# Altium PCB MEGAphone.PcbDoc (part 3 of 5) (continued)
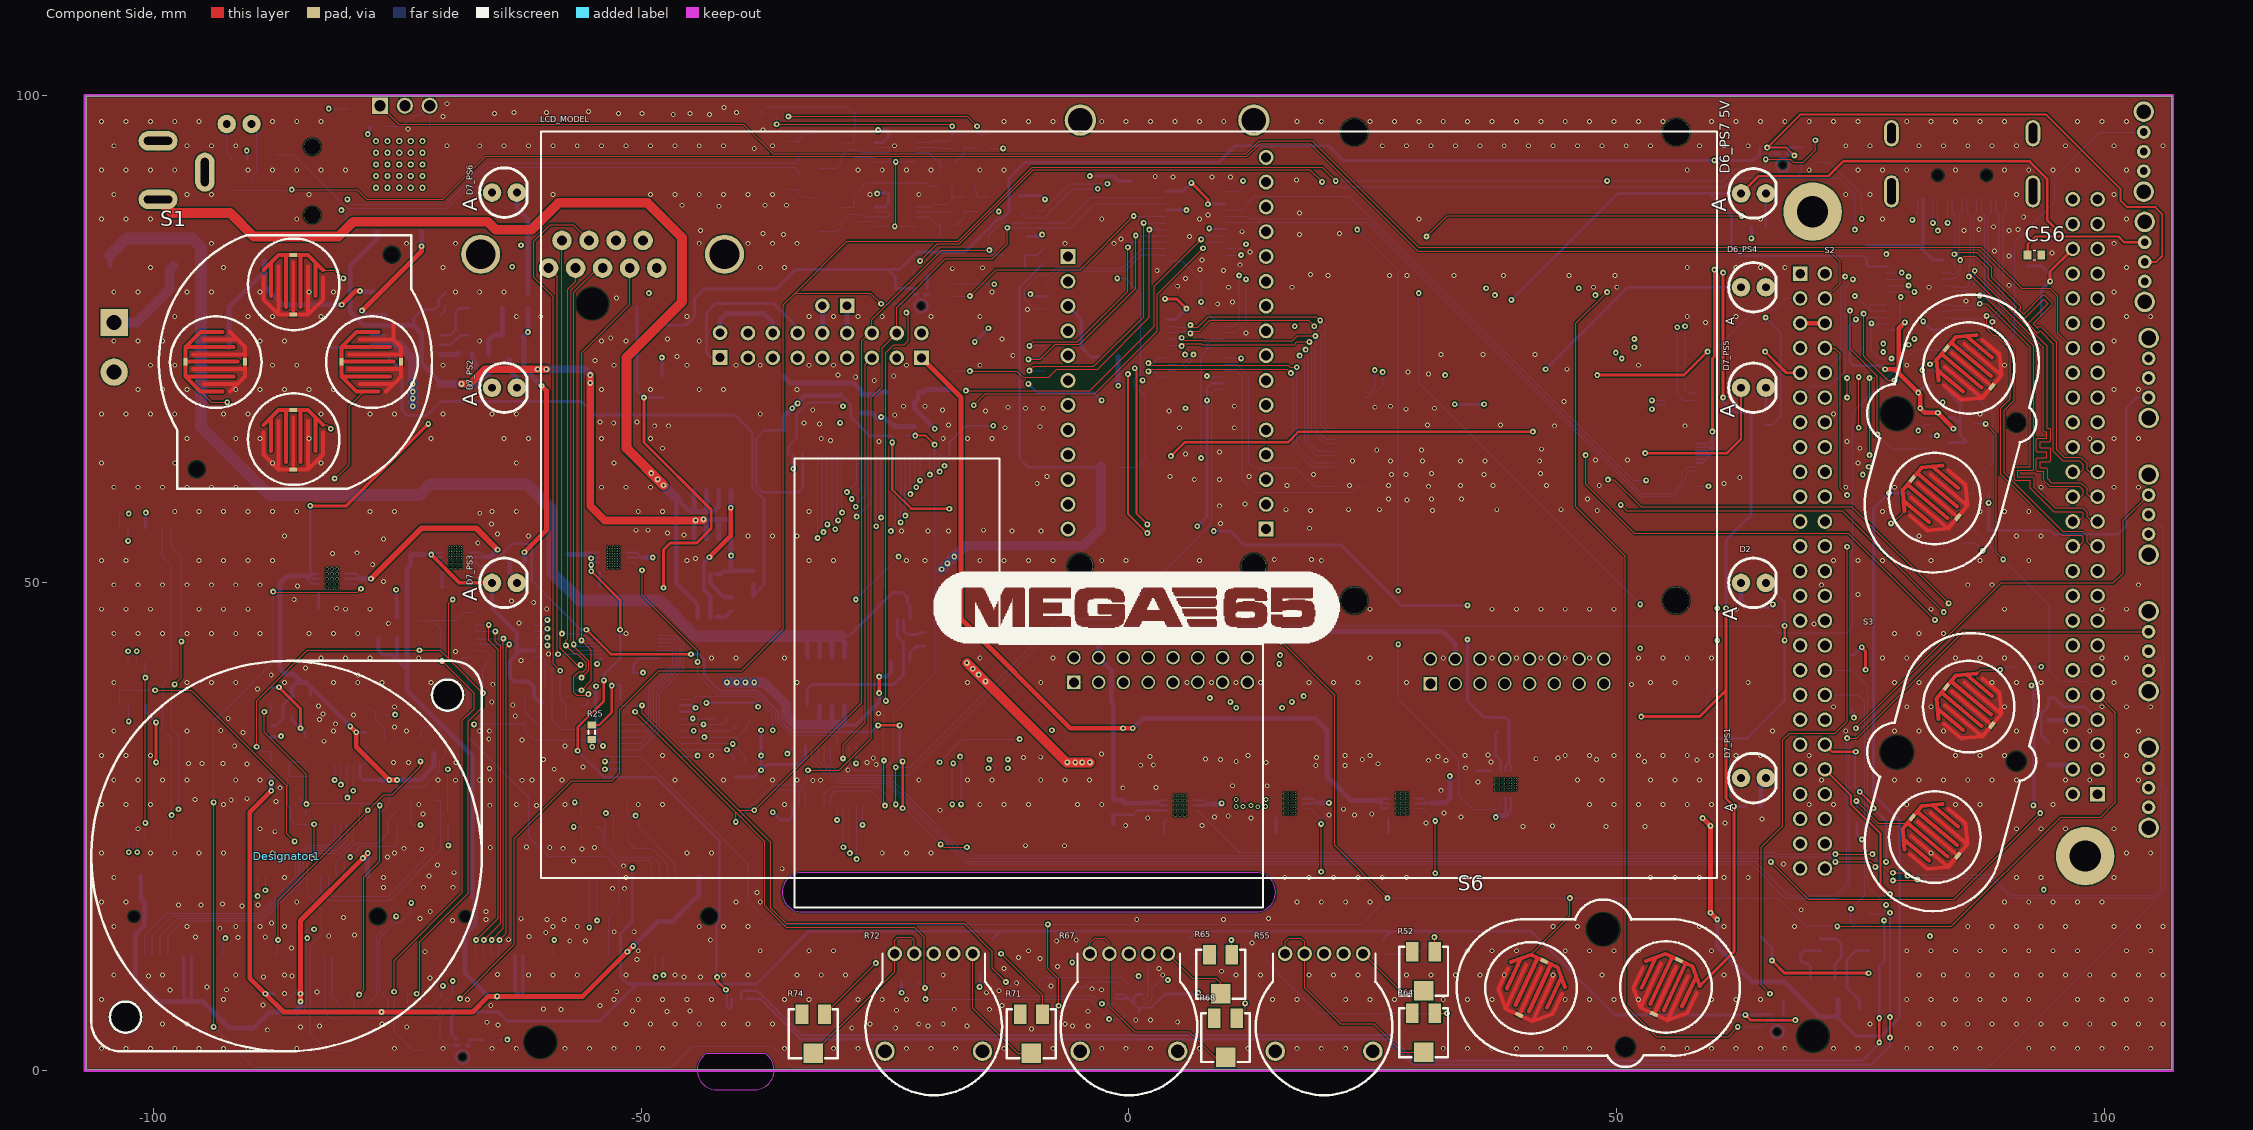
[diagram p0: Component Side view]
## Nets (pads, with @x,y where several pads share a name; then routed paths per layer and width w, separated by ;. In a path a pad name is that pad's centre, name@x,y a point inside that pad or via, vN(x,y) a via of type N, cw(c..) or ccw(c..) an arc to the next point about the centre after c; other vN are vias at no path point) (continued)
HDMI_EN: U13.11 U27.4 U27.5 | length 73.5
  Signal Layer 1 w0.127: v2(11.5,83.6) 12.7,82.4 16.1,82.4 18.3,80.2 v2(36.6,80.2) ; v2(46.1,80.2) 47.7,78.6 66.3,78.6 67.8,80.1 73.7,80.1 v2(74.4,79.4)
  Signal Layer 2 w0.127: v2(36.6,80.2) v2(46.1,80.2)
  Bottom Layer w0.127: U13.11@9.9,83.65 9.95,83.6 v2(11.5,83.6) ; v2(74.4,79.4) 74.5,79.4 75.9,78 ; U27.4@77.63,77.875 76.025,77.875 75.9,78 ; U27.5@77.63,78.525 77.605,78.5 76,78.5 75.9,78.4 75.9,78
HDMI_TX0_N: J4.9 U9.26A U27.17 | length 46.2
  Component Side w0.127: v2(86.083,81.383) 86.1,81.4 86.4,81.4 93.719,74.081 93.719,65.593 93.831,65.481 94.084,65.481 94.084,64.846 93.104,64.846 92.993,64.735 92.993,63.561 93.104,63.449 94.084,63.449 94.084,62.814 93.104,62.814 92.993,62.703 92.993,61.529 93.104,61.417 93.719,61.417 93.719,60.542 94.361,59.9 97.41,59.9 97.81,59.5 97.81,59.1 97.541,58.831 U9.26A@96.73,58.831
  Bottom Layer w0.127: U27.17@83.37,80.475 84.219,80.475 84.353,80.34 85.9,80.34 86.098,80.538 86.098,81.368 v2(86.083,81.383) ; J4.9@85.9,89.365 85.9,88.001 86.209,87.692 86.209,82.7 86.1,82.591 v2@86.1,81.4
HDMI_TX0_P: J4.7 U9.25A U27.18 | length 47.3
  Component Side w0.127: v2(86.687,81.987) 86.669,81.969 86.669,81.669 94.1,74.239 94.1,65.862 94.353,65.862 94.465,65.751 94.465,64.577 94.353,64.465 93.374,64.465 93.374,63.83 94.353,63.83 94.465,63.719 94.465,62.545 94.353,62.433 93.374,62.433 93.374,61.798 93.988,61.798 94.1,61.687 94.1,60.7 94.519,60.281 97.567,60.281 98.191,59.658 98.191,59.1 98.46,58.831 U9.25A@99.27,58.831
  Bottom Layer w0.127: U27.18@83.37,79.825 84.219,79.825 84.353,79.959 86.058,79.959 86.687,80.588 v2(86.687,81.987) 86.59,82.083 86.59,87.692 86.9,88.001 J4.7@86.9,89.365
HDMI_TX1_N: J4.6 U9.23A U27.20 | length 48.2
  Component Side w0.127: v2(87.2,79.454) 87.585,79.454 92.739,74.3 92.739,61.645 92.627,61.534 91.111,61.534 91.111,60.898 92.627,60.898 92.739,60.787 92.739,59.861 94.919,57.681 97.767,57.681 98.191,57.258 98.191,56.8 98.7,56.291 U9.23A@99.27,56.291
  Bottom Layer w0.127: U27.20@83.37,78.525 84.219,78.525 84.353,78.391 86.3,78.391 86.567,78.658 86.567,78.841 87.181,79.454 v2(87.2,79.454) 87.7,79.954 87.7,87.701 87.4,88.001 J4.6@87.4,89.365
HDMI_TX1_P: J4.4 U9.24A U27.21 | length 48.1
  Component Side w0.127: v2(87.2,78.6) 87.9,78.6 92.358,74.142 92.358,61.915 90.842,61.915 90.73,61.803 90.73,60.629 90.842,60.517 92.358,60.517 92.358,59.703 94.761,57.3 97.61,57.3 97.81,57.1 97.81,56.8 97.301,56.291 U9.24A@96.73,56.291
  Bottom Layer w0.127: U27.21@83.37,77.875 84.219,77.875 84.353,78.01 86.458,78.01 87.048,78.6 v2(87.2,78.6) 87.219,78.6 88.081,79.462 88.081,87.682 88.4,88.001 J4.4@88.4,89.365
HDMI_TX2_N: J4.3 U9.22A U27.22 | length 48.5
  Component Side w0.127: v2(87.896,77.365) 87.896,76.104 88.6,75.4 88.861,75.4 90.331,73.931 90.331,68.869 89.336,67.875 89.336,61.125 95.561,54.9 97.61,54.9 97.81,54.7 97.81,54.2 97.361,53.751 U9.22A@96.73,53.751
  Bottom Layer w0.127: U27.22@83.37,77.225 84.219,77.225 84.353,77.091 87.691,77.091 87.927,77.327 88.527,77.327 89.209,78.009 89.209,87.692 88.9,88.001 J4.3@88.9,89.365
HDMI_TX2_P: J4.1 U9.21A U27.23 | length 48.6
  Component Side w0.127: v2(88.5,76.761) 88.5,76.039 88.758,75.781 89.019,75.781 90.712,74.088 90.712,68.712 89.717,67.717 89.717,61.283 95.719,55.281 97.767,55.281 98.191,54.858 98.191,54.2 98.64,53.751 U9.21A@99.27,53.751
  Bottom Layer w0.127: U27.23@83.37,76.575 84.219,76.575 84.353,76.71 87.59,76.71 87.827,76.473 88.212,76.473 v2(88.5,76.761) 89.59,77.852 89.59,87.692 89.9,88.001 J4.1@89.9,89.365
HDMI_TXC_N: J4.12 U9.27A U27.15 | length 47.1
  Component Side w0.127: v2(84.596,83.679) 84.798,83.881 86.909,83.881 88.432,82.358 88.432,81.307 91.411,78.328 91.411,78.17 91.239,77.998 91.688,77.549 93.656,79.517 93.814,79.517 94.644,78.687 94.644,78.529 92.675,76.561 93.124,76.112 93.297,76.284 93.454,76.284 95.1,74.639 95.1,63.639 95.858,62.881 97.567,62.881 98.191,62.258 98.191,61.6 98.42,61.371 U9.27A@99.27,61.371
  Bottom Layer w0.127: U27.15@83.37,81.775 84.219,81.775 84.353,81.641 84.6,81.641 ; J4.12@84.4,89.365 84.4,88.001 84.71,87.692 84.71,83.792 v2(84.596,83.679) 84.596,82.423 84.819,82.2 84.819,81.86 84.6,81.641 ; 84.598,81.638 84.6,81.641
HDMI_TXC_P: J4.10 U9.28A U27.16 | length 46.5
  Component Side w0.127: v2(85.2,83.075) 85.625,83.5 86.751,83.5 88.051,82.2 88.051,81.149 90.951,78.249 90.779,78.077 90.779,77.919 91.609,77.089 91.767,77.089 93.735,79.057 94.184,78.608 92.216,76.64 92.216,76.482 93.046,75.652 93.203,75.652 93.375,75.825 94.719,74.481 94.719,63.481 95.7,62.5 97.41,62.5 97.81,62.1 97.81,61.6 97.581,61.371 U9.28A@96.73,61.371
  Bottom Layer w0.127: U27.16@83.37,81.125 84.219,81.125 84.353,81.26 84.442,81.26 84.758,81.26 85.2,81.702 v2(85.2,83.075) 85.2,83.233 85.091,83.342 85.091,87.692 85.4,88.001 J4.10@85.4,89.365
Headset_MIC_IN: J2.1 U5.2 | length 50.9
  Signal Layer 1 w0.127: v2(-82,98.6) -78.359,98.6 -77.644,97.884 -71.984,97.884 -67.2,93.1 -67.2,88.53 -62.2,83.53 -62.2,81.3 -57.2,76.3 -52.6,76.3 v2(-49.2,79.7)
  Bottom Layer w0.127: v2(-82,98.6) J2.1@-80,98.6 ; v2(-49.2,79.7) -49.129,79.629 U5.2@-49.129,78.304
HPD_B: J4.19 U27.10 | length 9.8
  Signal Layer 2 w0.127: v2(79.2,81.8) 80.3,82.9 v2(80.3,87.2)
  Bottom Layer w0.127: U27.10@77.63,81.775 79.175,81.775 v2(79.2,81.8) ; v2(80.3,87.2) 80.9,87.8 J4.19@80.9,89.365
HPD_X: CM1.153 U28.10 | length 24.8
  Signal Layer 2 w0.127: v2(8,71.2) 8.746,71.946 14.954,71.946 16.6,70.3 21.75,70.3 22.65,71.2 25.6,71.2 v2(26,71.6)
  Bottom Layer w0.127: v2(8,71.2) 8.075,71.125 U28.10@9.67,71.125 ; CM1.153@24.18,69.1 24.8,69.1 26,70.3 v2(26,71.6)
Indicators: "R49_PS7 5V.2" R49_PS4.2 R50_PS1.2 R50_PS2.2 R50_PS3.2 R50_PS5.2 R50_PS6.2 S6.1 | length 246.1
  Component Side w0.3: v2(52.5,36.3) 58.5,36.3 61.2,39 ; 58.494,8.7 62,12.206 v3(62,27.1) 61.2,27.9 61.2,39 ; v2(60.9,69) v2(60.9,81.8) ; v2(61.2,47.4) 61.2,39
  Component Side w0.5: v2(-61.955,53.145) -59.7,55.4 -59.7,69.7 v2(-60.2,70.2)
  Signal Layer 1 w0.3: v2(-7.9,34.9) -7.4,34.4 50.6,34.4 v2(52.5,36.3) ; v2(60.9,81.8) 60.9,82.4 v2(63.8,85.3)
  Signal Layer 2 w0.3: v2(-61.955,53.145) -56.41,47.6 -26.4,47.6 -13.7,34.9 v2(-7.9,34.9)
  Bottom Layer w0.3: v2(60.9,69) 60.9,68.6 62.063,67.437 R50_PS5.2@63.766,67.437 63.75,67.421 R49_PS4.2@63.75,66.2 63.75,56.95 61.2,54.4 v2(61.2,47.4) ; v3(62,27.1) 63.228,27.1 R50_PS1.2@63.258,27.13 ; 63.766,86.487 63.8,86.453 v2(63.8,85.3)
  Bottom Layer w0.5: R50_PS3.2@-61.955,52.197 v2(-61.955,53.145) ; R50_PS6.2@-61.6,78.15 v2(-61.6,75.7) -61.98,75.32 R50_PS2.2@-61.98,72.91 -61.98,71.98 v2(-60.2,70.2)
INT: Q2_M1.3 Q2_M2.3 Q10.3 Q11.3 Q12.3 R25.1 R45.2 S6.2 U9.9A U12.15 U20.4 U25.3 U29.P1_5 | length 326.7
  Component Side w0.127: R25.1@-55.05,33.936 -55.05,33.25 v2(-55,33.2) ; v2(-8.3,15) -8.3,10.5 -7.2,9.4 v2(-7.2,6.67) ; v2(15.6,44) 21.1,38.5 21.1,23.1 v2(26.5,17.7) ; 41.186,11.887 45.2,15.901 v2(45.2,17.7) ; v2(72.6,14.8) 84.3,14.8 95.5,26 99.6,26 101.1,27.5 101.1,36.681 U9.9A@99.27,38.511 ; v2(87.8,66.3) 88.9,65.2 88.9,53.1 v2(89.6,52.4)
  Signal Layer 1 w0.127: v2(-75.2,36.5) -74.197,35.497 v2(-67.1,35.497) ; U29.P1_5@14.07,65.67 12.27,65.67 11,64.4 11,48.6 v2(15.6,44)
  Bottom Layer w0.127: Q2_M1.3@-76.266,36.576 -76.242,36.6 -76.142,36.5 v2(-75.2,36.5) ; v2(-67.1,35.497) -67.037,35.56 Q2_M2.3@-61.91,35.56 -61.91,34.81 -61,33.9 -55.7,33.9 v2(-55,33.2) -54.047,32.247 U12.15@-52.07,32.247 -50.102,32.247 -39,21.145 -39,17.3 -36.7,15 v2(-8.3,15) 23.8,15 v2(26.5,17.7) v2(45.2,17.7) 66.5,17.7 69.341,14.859 U25.3@70.851,14.859 72.541,14.859 v2(72.6,14.8) ; Q11.3@-9.779,6.67 v2(-7.2,6.67) Q12.3@-6.081,6.67 ; U20.4@85.425,55.4 R45.2@86.6,55.4 94.3,47.7 94.3,41 95.4,39.9 98.1,39.9 99.27,38.73 U9.9A@99.27,38.511 ; Q10.3@86.487,66.355 87.745,66.355 v2(87.8,66.3)
INT1_A: Q11.2 U24.11 | length 10.4
  Bottom Layer w0.127: Q11.2@-9.129,8.57 -9.129,9.171 -8.7,9.6 -0.7,9.6 0,8.9 U24.11@0,8.712
INT2_A: Q12.2 U24.9 | length 4.9
  Bottom Layer w0.127: Q12.2@-5.431,8.57 -4.53,8.57 -4,9.1 -1.2,9.1 -1,8.9 U24.9@-1,8.712
INT_IO1: Q9.1 U14.1 | length 147.1
  Signal Layer 1 w0.127: v2(-35,32.5) -20.2,32.5 -19.4,31.7 v2(-19.4,31.623) ; v2(-11.2,34) 58.7,34 64.5,39.8 72.8,39.8 83.4,50.4 v2(83.4,68.5)
  Bottom Layer w0.127: v2(-35,32.5) -34.455,33.045 U14.1@-34.455,33.278 ; v2(-19.4,31.623) -17.023,34 v2(-11.2,34) ; Q9.1@82.108,68.885 83.015,68.885 v2(83.4,68.5)
INT_IO2: Q7.1 U12.1 | length 149.6
  Signal Layer 1 w0.127: v2(-36.5,34.9) -17.4,34.9 -14.2,38.1 8.2,38.1 v2(8.3,38.2) ; v2(17.9,38.4) 28.5,38.4 28.8,38.1 56.2,38.1 65.4,47.3 72.5,47.3 75.2,50 75.2,59.9 v2(80.9,65.6)
  Signal Layer 2 w0.127: v2(8.3,38.2) 8.5,38.4 v2(17.9,38.4)
  Bottom Layer w0.127: U12.1@-45.97,38.097 -44.703,38.097 -44.4,38.4 -38.4,38.4 -36.5,36.5 v2(-36.5,34.9) ; v2(80.9,65.6) 81.579,66.279 Q7.1@82.108,66.279
INT_IO3: Q8.1 U13.1 | length 91.1
  Component Side w0.127: v2(73.9,77.9) 73.9,73.984 76.7,71.184 v2(76.7,65.2)
  Signal Layer 1 w0.127: v2(11.7,91.2) 12.8,92.3 32.8,92.3 47.2,77.9 v2(73.9,77.9)
  Bottom Layer w0.127: U13.1@9.9,90.15 11.25,90.15 11.7,90.6 v2(11.7,91.2) ; v2(76.7,65.2) 78.161,63.739 Q8.1@82.108,63.739
IR_LED: U9.38A U30.1 | length 187.1
  Component Side w0.127: U30.1@-76.74,98.9 -74.84,97 -39.5,97 -36.454,93.954 11.995,93.954 13.295,95.254 13.454,95.254 13.5,95.3 18.8,95.3 29.7,84.4 87.3,84.4 91.5,80.2 94.4,80.2 95.2,79.4 95.2,75.601 U9.38A@96.73,74.071
IRLED: Q6.1 U9.4B | length 177.1
  Component Side w0.127: v2(-85.8,90.3) -79.1,90.3 -78.1,89.3 -70.3,89.3 -65.9,93.7 12.1,93.7 13.4,95 18.6,95 29.6,84 71.8,84 72.9,82.9 72.9,80.722 U9.4B@71.33,79.152
  Bottom Layer w0.127: Q6.1@-91.979,90.215 -85.885,90.215 v2(-85.8,90.3)
LED: Q5.1 U9.3B | length 48.8
  Signal Layer 1 w0.127: v2(60.3,44.1) v2(60.3,47.4)
  Bottom Layer w0.127: Q5.1@59.25,36.3 59.25,38.4 60.3,39.45 v2(60.3,44.1) ; v2(60.3,47.4) 60.3,74.1 64.2,78 66.2,78 67.352,79.152 U9.3B@68.79,79.152
MPPT: R57.1 R59.2 U7.6 | length 63.2
  Bottom Layer w0.3: U7.6@-76.182,73.4 -74.5,71.718 -74.5,67.7 -73.973,67.173 -71.927,67.173 -70.5,68.6 -56.1,68.6 -54.7,67.2 -40.4,67.2 -38.6,65.4 -38.6,59.8 -37.4,58.6 -37.4,49.818 R59.2@-38.5,48.718
  Bottom Layer w0.5: R59.2@-38.5,48.718 R57.1@-38.5,49.847
NetBT1_1: BT1.1 F1.1 | length 9.7
  Bottom Layer w1: BT1.1@-104,76.68 -101.72,76.68 -98.3,80.1 -98.3,82.116 F1.1@-97.918,82.498
NetC20_1: C20.1 U32.7 | length 3.6
  Bottom Layer w0.45: U32.7@-42.896,50.882 -42.896,49.996 -41.414,48.514 C20.1@-40.767,48.514
NetC20_2: C20.2 U32.1 | length 1.7
  Bottom Layer w0.45: U32.1@-42.246,46.482 -41.399,46.482 C20.2@-40.767,47.114
NetC22_FA_1: C22_FA.1 R18_FA.2 R20_FA.2 | length 3.3
  Bottom Layer w0.127: R20_FA.2@-17.861,86.776 -17.531,86.776 -16.815,87.492 C22_FA.1@-16.815,88.108 -15.588,88.108 R18_FA.2@-15.526,88.046
NetC22_FA_2: C22_FA.2 R16_FA.1 R21_FA.2 U11_FA.1 | length 6.9
  Bottom Layer w0.127: U11_FA.1@-21.845,88.538 -20.362,88.538 -20.1,88.8 -18.5,88.8 -18.103,89.197 R16_FA.1@-18.103,89.558 ; R21_FA.2@-17.988,90.713 -18.103,90.598 R16_FA.1@-18.103,89.558 ; C22_FA.2@-16.815,89.508 -16.865,89.558 R16_FA.1@-18.103,89.558
NetC22_FB_1: C22_FB.1 R18_FB.2 R20_FB.2 | length 3.2
  Bottom Layer w0.127: R20_FB.2@-17.861,93.253 -17.58,93.253 -16.833,94 C22_FB.1@-16.833,94.585 -15.613,94.585 R18_FB.2@-15.563,94.535
NetC22_FB_2: C22_FB.2 R16_FB.1 R21_FB.2 U11_FB.1 | length 25.4
  Component Side w0.127: v2(-36.1,97) -18.3,97 v2(-18.1,96.8)
  Bottom Layer w0.127: v2(-36.1,97) -36.08,97.02 R21_FB.2@-36.08,97.79 ; U11_FB.1@-21.845,95.142 -20.331,95.142 -20.173,95.3 -18.3,95.3 -18.103,95.497 R16_FB.1@-18.103,96.035 ; v2(-18.1,96.8) -18.1,96.038 R16_FB.1@-18.103,96.035 ; C22_FB.2@-16.833,95.985 -18.053,95.985 R16_FB.1@-18.103,96.035
NetC23_FA_1: C23_FA.1 C26_FA.2 R21_FA.1 R22_FA.1 | length 11.8
  Bottom Layer w0.127: C23_FA.1@-29.406,88.492 -28.186,88.492 R22_FA.1@-28.136,88.542 -28.136,89.759 C26_FA.2@-28.071,89.824 -26.895,91 -20.7,91 -20.4,90.7 -19.501,90.7 R21_FA.1@-19.488,90.713
NetC23_FA_2: C23_FA.2 C25_FA.1 U11_FA.8 U11_FA.9 | length 10.2
  Bottom Layer w0.127: C25_FA.1@-31.692,86.041 -29.859,86.041 -29.406,86.494 C23_FA.2@-29.406,87.092 -28.698,87.8 -27.4,87.8 -27.138,87.538 U11_FA.8@-26.045,87.538 -24.662,87.538 -24.5,87.7 -24.5,87.9 -24.638,88.038 U11_FA.9@-26.045,88.038
NetC23_FB_1: C23_FB.1 C26_FB.2 R21_FB.1 R22_FB.1 | length 14.7
  Bottom Layer w0.127: R21_FB.1@-37.58,97.79 -37.58,98.32 -37.1,98.8 -28.9,98.8 -28.071,97.971 C26_FB.2@-28.071,96.428 -28.136,96.363 R22_FB.1@-28.136,95.146 -28.186,95.096 C23_FB.1@-29.406,95.096
NetC23_FB_2: C23_FB.2 C25_FB.1 U11_FB.8 U11_FB.9 | length 10.3
  Bottom Layer w0.127: C25_FB.1@-31.692,92.518 -30,92.518 -29.406,93.112 C23_FB.2@-29.406,93.696 -29.404,93.696 -28.7,94.4 -27.558,94.4 -27.3,94.142 U11_FB.8@-26.045,94.142 -24.658,94.142 -24.5,94.3 -24.5,94.5 -24.642,94.642 U11_FB.9@-26.045,94.642
NetC25_FA_2: C25_FA.2 F2_FA.1 R23_FA.1 | length 3.9
  Bottom Layer w0.127: R23_FA.1@-34.994,90.344 F2_FA.1@-33.851,90.344 -33.851,89.951 -33.4,89.5 -31.833,89.5 C25_FA.2@-31.692,89.641
NetC25_FB_2: C25_FB.2 F2_FB.1 R23_FB.1 | length 3.8
  Bottom Layer w0.127: R23_FB.1@-34.994,95.273 F2_FB.1@-33.851,95.273 -33.851,95.449 -33.182,96.118 C25_FB.2@-31.692,96.118
NetC27_FA_1: C27_FA.1 R20_FA.1 U11_FA.3 | length 4.1
  Bottom Layer w0.127: U11_FA.3@-21.845,87.538 -20.445,87.538 -19.683,86.776 R20_FA.1@-19.361,86.776 -19.311,86.726 C27_FA.1@-19.311,85.506
NetC27_FB_1: C27_FB.1 R20_FB.1 U11_FB.3 | length 4.1
  Bottom Layer w0.127: U11_FB.3@-21.845,94.142 -20.542,94.142 -19.653,93.253 R20_FB.1@-19.361,93.253 -19.311,93.203 C27_FB.1@-19.311,91.983
NetC36_1: C36.1 C37.1 D4.2 D5.2 U26.2 | length 25.8
  Signal Layer 2 w0.3: v2(-34.4,61.7) -24,61.7 v2(-19.9,65.8)
  Bottom Layer w0.3: U26.2@-34.407,63.118 -34.407,61.707 v2(-34.4,61.7)
  Bottom Layer w0.5: v2(-19.9,65.8) -21.955,67.855 D5.2@-21.955,68.253 -21.955,68.536 -21.59,68.901 D4.2@-21.59,69.551 -21.049,69.551 -20.792,69.808 C36.1@-19.881,69.808 C37.1@-18.272,69.808
NetC39_1: C39.1 D5.1 R46.1 U21.3 U26.1 | length 20.4
  Signal Layer 1 w0.2: v3(-29.3,68.1) -26.5,68.1 v3(-25.4,67)
  Bottom Layer w0.2: U26.1@-34.907,63.118 -34.907,63.98 -34.073,64.814 -34.073,67.227 -32.8,68.5 -29.712,68.5 -29.312,68.1 v3(-29.3,68.1)
  Bottom Layer w0.5: U21.3@-27.425,67.397 -26.304,67.397 -25.881,66.974 C39.1@-25.881,66.884 -24.984,66.884 -24.288,66.188 R46.1@-24.114,66.188 -23.949,66.023 D5.1@-21.955,66.023
NetC41_PS4_1: C41_PS4.1 U22_PS4.1 | length 1.4
  Bottom Layer w0.24: C41_PS4.1@3.6,24.4 3.6,25.465 U22_PS4.1@3.835,25.7
"NetC41_PS7 5V_1": "C41_PS7 5V.1" "U22_PS7 5V.1" | length 1.5
  Bottom Layer w0.24: 35.593,30.745 35.596,30.748 37.117,30.748
NetC45_PS1_1: C45_PS1.1 U23_PS1.1 | length 1.6
  Bottom Layer w0.3: U23_PS1.1@15.083,25.892 15.083,24.399 C45_PS1.1@15.138,24.344
NetC45_PS2_1: C45_PS2.1 U23_PS2.1 | length 1.6
  Bottom Layer w0.3: U23_PS2.1@-83.061,48.919 -83.061,47.425 C45_PS2.1@-83.006,47.371
NetC45_PS3_1: C45_PS3.1 U23_PS3.1 | length 1.6
  Bottom Layer w0.3: C45_PS3.1@-70.4,49.629 U23_PS3.1@-70.4,51.122
  Bottom Layer w0.381: C45_PS3.1@-70.4,49.629 C45_PS3.1@-70.345,49.574
NetC45_PS5_1: C45_PS5.1 U23_PS5.1 | length 1.6
  Bottom Layer w0.24: C45_PS5.1@-54.232,49.607 U23_PS5.1@-54.232,51.1
  Bottom Layer w0.25: C45_PS5.1@-54.232,49.607 C45_PS5.1@-54.177,49.552
NetC45_PS6_1: C45_PS6.1 U23_PS6.1 | length 1.5
  Bottom Layer w0.24: C45_PS6.1@26.569,24.454 U23_PS6.1@26.569,25.897
  Bottom Layer w0.25: C45_PS6.1@26.569,24.454 C45_PS6.1@26.636,24.387
NetC50_1: C50.1 R73.2 | length 14
  Component Side w0.3: v2(65.9,11.3) 67.2,10 v2(75.8,10)
  Bottom Layer w0.3: C50.1@64.8,13.7 65.9,12.6 v2(65.9,11.3) ; R73.2@75.05,10 v2(75.8,10)
NetC51_1: C51.1 D8.3 R73.1 U25.8 | length 8.3
  Bottom Layer w0.3: D8.3@74.887,6.35 74.887,7.213 73.6,8.5 C51.1@73.6,8.8 73.6,9.95 R73.1@73.55,10 73.55,11.35 74.519,12.319 U25.8@75.851,12.319
NetC57_1: C57.1 U7.1 | length 1.2
  Bottom Layer w0.25: U7.1@-70.582,77.4 -70.1,77.882 -70.1,78.3 C57.1@-70,78.4
NetC58_2: C58.2 R61.1 | length 1.7
  Bottom Layer w0.5: R61.1@-67.292,73.543 -67.292,73 -66.9,72.608 C58.2@-66.9,72.055
NetC59_1: C59.1 U8.7 | length 3.7
  Bottom Layer w0.3: U8.7@-23.082,46.32 -23.082,45.082 -22.7,44.7 -21.69,44.7 -21.475,44.915 C59.1@-20.907,44.915
NetC59_2: C59.2 U8.1 | length 2.7
  Bottom Layer w0.3: U8.1@-22.432,41.92 -22.432,42.868 -21.785,43.515 C59.2@-20.907,43.515
NetC61_1: C61.1 R62.2 U30.3 | length 7.6
  Bottom Layer w0.127: R62.2@-76.25,96.8 -74.4,96.8 -73.3,97.9 -72.6,97.9 -71.66,98.84 U30.3@-71.66,98.9 -71.6,98.84 C61.1@-71.6,96.8
NetCM1_89: CM1.89 U13.5 | length 61.8
  Bottom Layer w0.127: U13.5@9.9,87.55 12.05,87.55 12.3,87.3 24.4,87.3 52.546,59.154 55.695,59.154 56.67,60.13 56.67,61.27 57.3,61.9 CM1.89@58.1,61.9
NetCM1_91: CM1.91 U13.6 | length 61.5
  Bottom Layer w0.127: U13.6@9.9,86.9 9.9,86.945 24.355,86.945 52.4,58.9 55.8,58.9 57,60.1 57,61 57.5,61.5 CM1.91@58.1,61.5
NetCM1_99: CM1.99 U13.4 | length 63.7
  Signal Layer 2 w0.127: v2(53,60.5) 58.8,60.5 v2(59.4,59.9)
  Bottom Layer w0.127: U13.4@9.9,88.2 11.5,88.2 12.9,89.6 22.6,89.6 51.7,60.5 v2(53,60.5) ; CM1.99@58.1,59.9 v2(59.4,59.9)
NetCM1_170: CM1.170 U9.40A U28.23 | length 119.3
  Component Side w0.127: v2(6.3,76.427) 6.536,76.191 7.052,76.191 8.146,77.285 19.223,77.285 v2(19.604,76.904)
  Signal Layer 1 w0.127: v2(80.504,75.004) 80.504,74.669 80.642,74.531 82.192,74.531 82.531,74.869 93.831,74.869 94.442,75.481 97.591,75.481 97.81,75.7 97.81,76.2 97.399,76.611 U9.40A@96.73,76.611
  Signal Layer 2 w0.127: v2(19.604,76.904) 19.938,76.904 20.034,77 40.226,77 40.317,77.092 40.317,77.801 40.632,78.116 41.4,78.116 41.714,77.801 41.714,76.668 41.806,76.577 42.258,76.577 42.349,76.668 42.349,77.801 42.664,78.116 43.432,78.116 43.746,77.801 43.746,76.668 43.838,76.577 44.29,76.577 44.381,76.668 44.381,77.801 44.696,78.116 45.464,78.116 45.778,77.801 45.778,77.092 45.87,77 54.339,77 55.769,75.569 64.669,75.569 67.181,78.081 72.558,78.081 75.158,75.481 80.027,75.481 v2(80.504,75.004)
  Bottom Layer w0.127: U28.23@3.93,76.325 4.778,76.325 4.913,76.191 6.064,76.191 v2(6.3,76.427) ; v2(19.604,76.904) 20.1,76.408 20.1,66.3 20.5,65.9 CM1.170@21.1,65.9
NetCM1_172: CM1.172 U9.39A U28.22 | length 120
  Component Side w0.127: v2(6.3,75.573) 6.536,75.81 7.21,75.81 8.304,76.904 18.396,76.904 v2(19,76.3)
  Signal Layer 1 w0.127: v2(79.9,74.4) 80.234,74.4 80.485,74.15 82.35,74.15 82.688,74.488 93.988,74.488 94.6,75.1 97.748,75.1 98.191,75.542 98.191,76.2 98.602,76.611 U9.39A@99.27,76.611
  Signal Layer 2 w0.127: v2(19,76.3) 19.873,76.3 20.192,76.619 40.384,76.619 40.698,76.934 40.698,77.643 40.79,77.735 41.242,77.735 41.333,77.643 41.333,76.51 41.648,76.196 42.416,76.196 42.73,76.51 42.73,77.643 42.822,77.735 43.274,77.735 43.365,77.643 43.365,76.51 43.68,76.196 44.448,76.196 44.762,76.51 44.762,77.643 44.854,77.735 45.306,77.735 45.397,77.643 45.397,76.934 45.712,76.619 54.181,76.619 55.612,75.188 64.827,75.188 67.339,77.7 72.4,77.7 75,75.1 79.2,75.1 v2(79.9,74.4)
  Bottom Layer w0.127: U28.22@3.93,75.675 4.778,75.675 4.913,75.81 6.064,75.81 v2(6.3,75.573) ; v2(19,76.3) 19.719,75.581 19.719,66.142 20.361,65.5 CM1.172@21.1,65.5
NetCM1_176: CM1.176 U9.42A U28.21 | length 119.6
  Component Side w0.127: v2(5.4,75.127) 5.637,74.891 7.567,74.891 7.658,74.8 16.761,74.8 17.265,75.304 v2(19.104,75.304)
  Signal Layer 1 w0.127: v2(77.3,74.518) 77.536,74.281 77.7,74.281 78,74.581 78,74.939 79.231,76.169 93.469,76.169 95.381,78.081 97.691,78.081 97.81,78.2 97.81,78.8 97.459,79.151 U9.42A@96.73,79.151
  Signal Layer 2 w0.127: v2(19.104,75.304) 20.374,75.304 21.012,75.942 28.192,75.942 28.506,75.627 28.506,75.487 28.598,75.396 29.05,75.396 29.141,75.487 29.141,76.05 29.456,76.365 30.224,76.365 30.538,76.05 30.538,75.487 30.63,75.396 31.082,75.396 31.173,75.487 31.173,76.05 31.488,76.365 32.256,76.365 32.57,76.05 32.57,75.487 32.662,75.396 33.114,75.396 33.205,75.487 33.205,76.05 33.52,76.365 34.288,76.365 34.602,76.05 34.602,75.487 34.694,75.396 35.146,75.396 35.237,75.487 35.237,76.05 35.552,76.365 36.32,76.365 36.634,76.05 36.634,75.487 36.726,75.396 37.178,75.396 37.269,75.487 37.269,76.05 37.584,76.365 38.352,76.365 38.666,76.05 38.666,75.487 38.758,75.396 39.21,75.396 39.301,75.487 39.301,75.627 39.616,75.942 53.497,75.942 54.739,74.7 66.6,74.7 67.412,75.512 73.627,75.512 74.858,74.281 77.064,74.281 v2(77.3,74.518)
  Bottom Layer w0.127: U28.21@3.93,75.025 5.298,75.025 v2(5.4,75.127) ; v2(19.104,75.304) 19.1,75.3 19.1,65.8 20.2,64.7 CM1.176@21.1,64.7
NetCM1_178: CM1.178 U9.41A U28.20 | length 120.4
  Component Side w0.127: v2(5.4,74.273) 5.637,74.51 7.409,74.51 7.5,74.419 16.919,74.419 17.2,74.7 v2(18.5,74.7)
  Signal Layer 1 w0.127: v2(77.3,73.664) 77.536,73.9 77.858,73.9 78.381,74.423 78.381,74.781 79.388,75.788 93.627,75.788 95.539,77.7 97.848,77.7 98.191,78.042 98.191,78.8 98.542,79.151 U9.41A@99.27,79.151
  Signal Layer 2 w0.127: v2(18.5,74.7) 20.309,74.7 21.169,75.561 28.034,75.561 28.125,75.469 28.125,75.329 28.44,75.015 29.208,75.015 29.522,75.329 29.522,75.892 29.614,75.984 30.066,75.984 30.157,75.892 30.157,75.329 30.472,75.015 31.24,75.015 31.554,75.329 31.554,75.892 31.646,75.984 32.098,75.984 32.189,75.892 32.189,75.329 32.504,75.015 33.272,75.015 33.586,75.329 33.586,75.892 33.678,75.984 34.13,75.984 34.221,75.892 34.221,75.329 34.536,75.015 35.304,75.015 35.618,75.329 35.618,75.892 35.71,75.984 36.162,75.984 36.253,75.892 36.253,75.329 36.568,75.015 37.336,75.015 37.65,75.329 37.65,75.892 37.742,75.984 38.194,75.984 38.285,75.892 38.285,75.329 38.6,75.015 39.368,75.015 39.682,75.329 39.682,75.469 39.774,75.561 53.339,75.561 54.581,74.319 66.758,74.319 67.569,75.131 73.469,75.131 74.7,73.9 77.064,73.9 v2(77.3,73.664)
  Bottom Layer w0.127: U28.20@3.93,74.375 5.298,74.375 v2(5.4,74.273) ; v2(18.5,74.7) 18.719,74.481 18.719,65.642 20.061,64.3 CM1.178@21.1,64.3
NetCM1_182: CM1.182 U9.43A U28.16 | length 122.2
  Signal Layer 1 w0.127: v2(51.8,74.997) 52.036,74.761 66.976,74.761 67.481,74.256 67.481,73.2 67.681,73 74.3,73 79.081,77.781 87.075,77.781 87.994,78.7 93.7,78.7 95.2,80.2 95.2,82.358 96.023,83.181 97.658,83.181 98.181,82.658 98.181,82.1 98.59,81.691 U9.43A@99.27,81.691
  Signal Layer 2 w0.127: v2(6.618,73.4) 6.4,73.183 6.4,72.6 6.6,72.4 7.061,72.4 9.442,74.781 16.258,74.781 17.135,73.904 v2(18.104,73.904) 21.304,73.904 22.161,74.761 40.126,74.761 40.217,74.852 40.217,74.992 40.532,75.307 41.3,75.307 41.614,74.992 41.614,74.313 41.706,74.221 42.158,74.221 42.249,74.313 42.249,74.992 42.564,75.307 43.332,75.307 43.646,74.992 43.646,74.852 43.738,74.761 51.7,74.761 51.8,74.861 v2(51.8,74.997)
  Bottom Layer w0.127: U28.16@3.93,71.775 4.778,71.775 4.913,71.91 5.558,71.91 6.381,72.733 6.381,73.164 v2(6.618,73.4) ; v2(18.104,73.904) 18.4,73.608 18.4,64.5 19.4,63.5 CM1.182@21.1,63.5
NetCM1_184: CM1.184 U9.44A U28.17 | length 121.5
  Signal Layer 1 w0.127: v2(51.8,74.143) 52.036,74.38 66.819,74.38 67.1,74.098 67.1,73.042 67.523,72.619 74.458,72.619 79.239,77.4 87.232,77.4 88.151,78.319 93.858,78.319 95.581,80.042 95.581,82.2 96.181,82.8 97.5,82.8 97.8,82.5 97.8,82.1 97.391,81.691 U9.44A@96.73,81.691
  Signal Layer 2 w0.127: 6,73.164 6.019,73.145 6.019,72.442 6.442,72.019 7.219,72.019 9.6,74.4 16.1,74.4 17.2,73.3 v2(17.5,73.3) 21.239,73.3 22.319,74.38 40.284,74.38 40.598,74.695 40.598,74.834 40.69,74.926 41.142,74.926 41.233,74.834 41.233,74.155 41.548,73.84 42.316,73.84 42.63,74.155 42.63,74.834 42.722,74.926 43.174,74.926 43.265,74.834 43.265,74.695 43.58,74.38 51.7,74.38 51.8,74.28 v2(51.8,74.143)
  Bottom Layer w0.127: U28.17@3.93,72.425 4.778,72.425 4.913,72.291 5.4,72.291 6,72.891 6,73.164 v2(5.764,73.4) ; v2(17.5,73.3) 18.019,72.781 18.019,64.342 19.261,63.1 CM1.184@21.1,63.1